# Altium PCB Anki_vector_headboard_ultra_2.PcbDoc (part 2 of 4)
Units mm, origin at the board's own origin, x right, y up, seen from the top; angles counter-clockwise.
Board outline 34.12 x 31.07 mm, 8 copper layers (Top Layer, Int1 (Sign), Int2 (GND), Int3 (Sign), Int4 (Sign), Int5 (PWR), Int6 (Sign), Bottom Layer), stack 1.535 mm thick; 261 components, 284 nets, 1188 pads, 341 vias.
Unrouted connection lines stored in the file: 171.
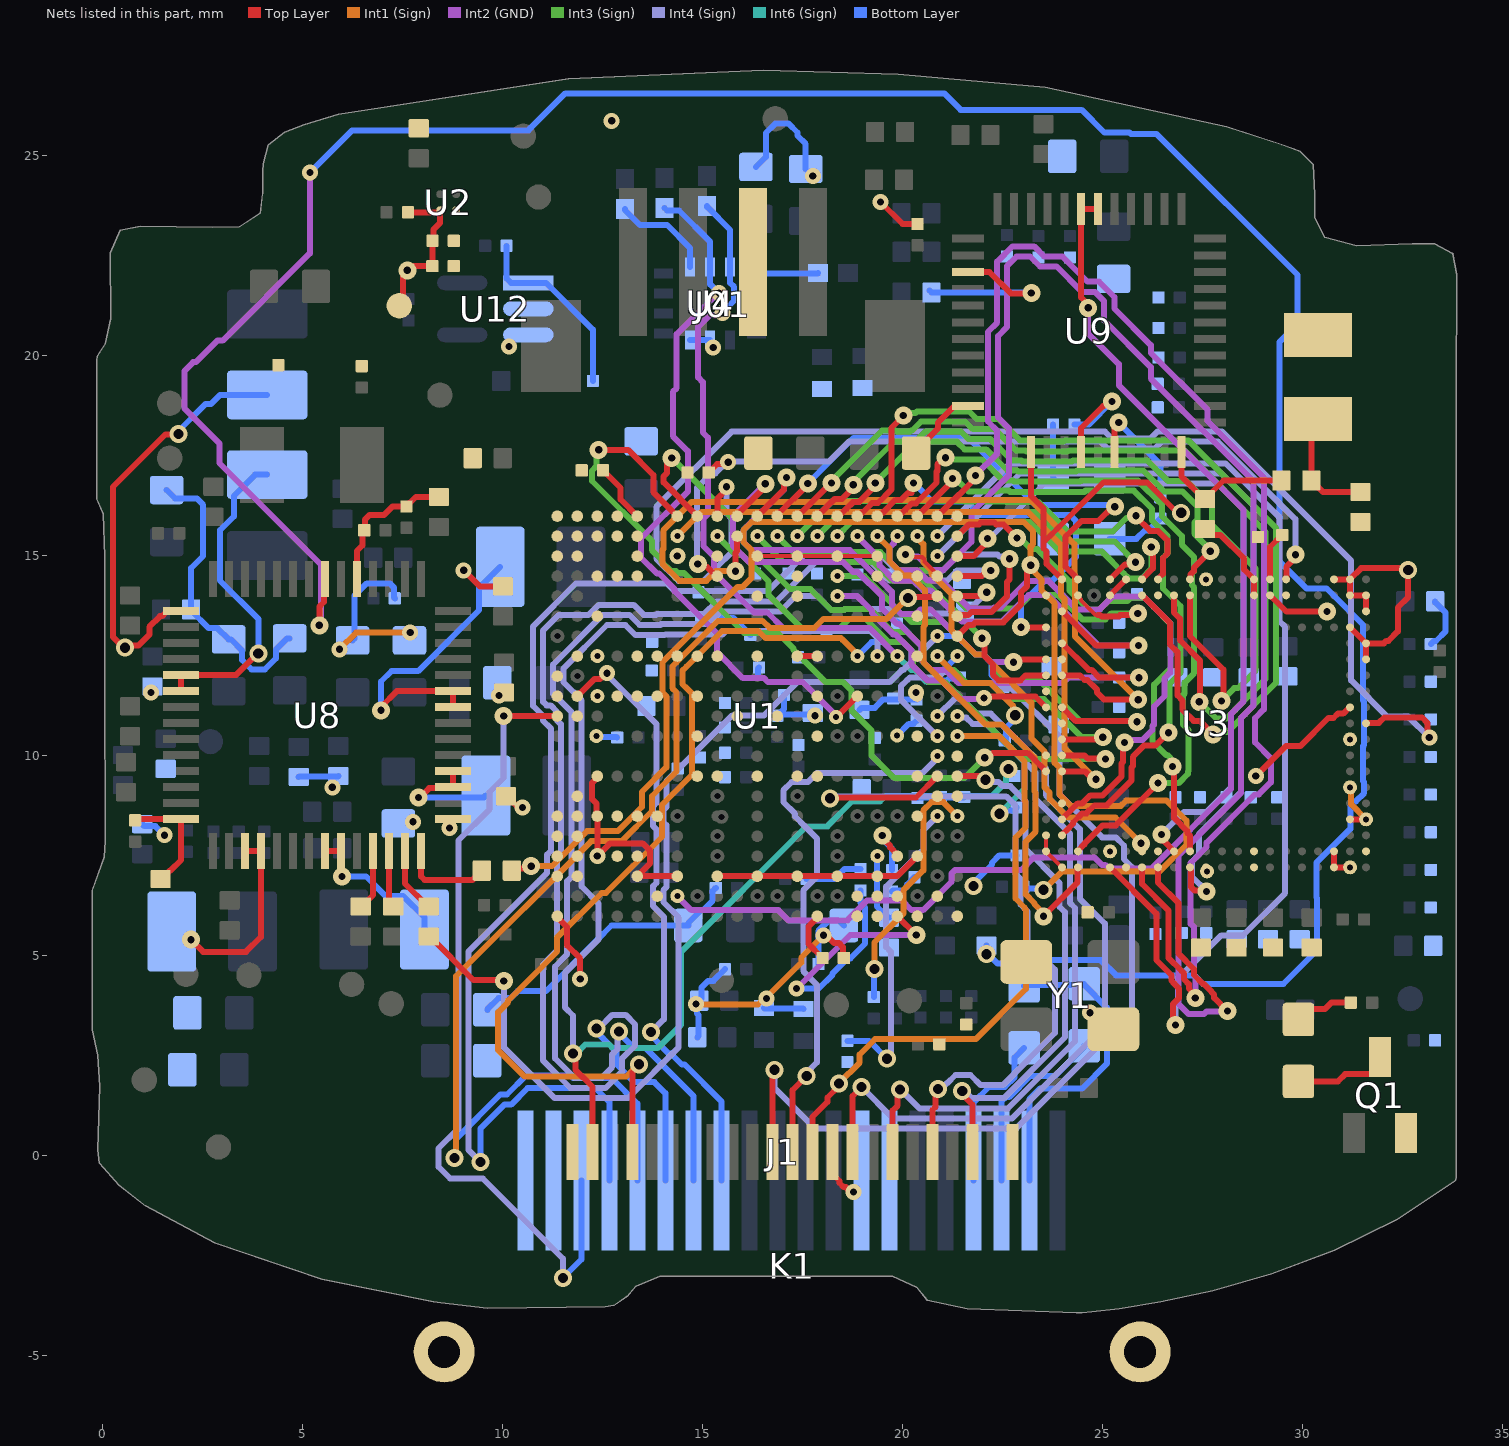
[diagram p8: the nets of this part, all layers, seen from the top]

## Via types
v1: diameter 0.45, hole 0.18, Top Layer to Bottom Layer, tented both sides, 190 vias
v2: diameter 0.4, hole 0.18, Top Layer to Bottom Layer, tented both sides, 79 vias
v3: diameter 0.45, hole 0.254, Top Layer to Bottom Layer, tented both sides, 62 vias
v4: diameter 0.35, hole 0.18, Top Layer to Bottom Layer, tented both sides, 8 vias
v5: diameter 0.35, hole 0.15, Top Layer to Bottom Layer, tented both sides, 2 vias

## Nets (pads, with @x,y where several pads share a name; then routed paths per layer and width w, separated by ;. In a path a pad name is that pad's centre, name@x,y a point inside that pad or via, vN(x,y) a via of type N, cw(c..) or ccw(c..) an arc to the next point about the centre after c; other vN are vias at no path point) (continued)
BT_TXD_RES: R31.1 U9.27 | length 4.4
  Top Layer w0.15: U9.27@21.634,22.075 22.172,22.075 22.703,21.544 23.209,21.544 v1(23.216,21.55)
  Bottom Layer w0.15: R31.1@20.668,21.617 R31.1@20.72,21.565 23.23,21.565 v1(23.216,21.55)
BT_WAKE_DEV: U1.T20
BT_WAKE_HOST: pad.53 U1.R20 U9.18 U9.19 | length 32.7
  Top Layer w0.15: v1(24.638,21.182) 24.638,21.263 24.46,21.441 U9.19@24.46,23.647 U9.18@24.878,23.647
  Int2 (GND) w0.15: pad.53@14.367,6.474 14.719,6.123 16.89,6.123 17.142,5.871 18.617,5.871 19.114,6.368 19.976,6.368 20.221,6.123 20.513,6.123 21.219,6.829 21.219,7.038 21.306,7.126 22.964,7.126 23.281,7.442 24.791,7.442 24.978,7.255 25.064,7.255 25.156,7.163 26.213,7.163 28.204,9.154 28.204,11.023 28.305,11.124 28.305,11.127 28.525,11.347 28.525,16.128 26.967,17.686 26.96,17.686 25.403,19.243 25.403,19.772 24.638,20.537 v1(24.638,21.182)
CLK_32K_OUT: R100.1 U8.7 | length 70.7
  Top Layer w0.15: v1(5.417,13.244) 5.417,13.712 5.534,13.829 5.534,14.373 U8.7@5.559,14.398
  Int2 (GND) w0.15: v2(5.182,24.562) 5.182,22.544 3,20.363 2.869,20.363 2.329,19.822 2.264,19.822 2.041,19.599 2.041,18.67 2.916,17.794 2.916,17.302 5.453,14.766 5.453,13.28 v1(5.417,13.244)
  Bottom Layer w0.15: v2(5.182,24.562) 6.24,25.62 10.644,25.62 11.567,26.543 21.04,26.543 21.452,26.132 24.474,26.132 25.042,25.564 25.675,25.564 25.707,25.532 26.344,25.532 29.87,22.006 29.87,20.777 29.418,20.325 29.418,14.845 30.095,14.168 30.596,14.168 31.511,13.253 31.511,11.366 31.536,11.341 31.536,10.249 31.511,10.224 31.511,9.347 31.536,9.322 31.536,9.049 31.33,8.843 31.322,8.843 31.191,8.712 31.191,8.157 30.344,7.31 30.344,6.441 30.356,6.429 30.356,5.116 29.522,4.281 27.505,4.281 27.29,4.496 25.337,4.496 24.957,4.876 22.668,4.876 22.576,4.784 22.373,4.784 22.136,5.022 v3(22.098,5.022) R100.1@22.098,5.238
CLKIN1: U1.E20
CLKIN2: U1.F20
CLKOUT1: U1.E21
CLKOUT2: U1.F21
CSI_CKN: U1.A13
CSI_CKP: J1.13 pad.59 U1.B13 | length 14.2
  Top Layer w0.15: J1.13@17.247,0.076 17.247,1.626 v3(17.602,1.981)
  Int4 (Sign) w0.15: v3(17.602,1.981) 17.602,2.062 17.856,2.316 17.856,4.257 17.515,4.598 17.515,6.62 17.856,6.961 17.856,7.92 17.557,8.219 17.311,8.465 17.311,8.533 17.015,8.829 17.015,9.12 17.221,9.326 17.632,9.326 17.861,9.555 20.501,9.555 20.867,9.921 pad.59@20.867,9.974
CSI_DN0: J1.18 pad.54 U1.A11 | length 16.6
  Top Layer w0.15: J1.18@19.747,0.076 19.747,1.112 19.873,1.238 19.873,1.58 v3(19.93,1.637)
  Int4 (Sign) w0.15: v3(19.93,1.637) 19.953,1.637 20.419,1.171 22.634,1.171 24.308,2.844 24.308,6.178 24.179,6.308 24.179,8.042 23.327,8.894 23.327,9.563 22.716,10.173 22.712,10.173 22.102,10.784 21.746,10.784 21.593,10.936 21.405,10.936 pad.54@21.367,10.974
CSI_DN1: J1.14 pad.55 U1.A12 | length 15.6
  Top Layer w0.15: J1.14@17.747,0.076 17.747,0.958 18.122,1.333 18.122,1.439 18.405,1.722 v3(18.405,1.793)
  Int1 (Sign) w0.15: v3(18.405,1.793) 18.924,2.312 18.924,2.516 19.309,2.9 21.829,2.9 23.083,4.155 23.083,6.131 23.045,6.169 23.045,6.191 22.822,6.414 22.822,7.938 23.075,8.191 23.075,8.839 23.045,8.869 23.045,9.844 22.764,10.125 22.76,10.125 22.411,10.474 pad.55@21.367,10.474
CSI_DN2: J1.22 U1.A14 | length 13
  Top Layer w0.15: U1.A14@21.367,9.474 v3@21.92,9.474 ; v3(21.488,1.6) 21.488,1.519 21.747,1.261 J1.22@21.747,0.076
  Int4 (Sign) w0.15: v3(21.488,1.6) 21.548,1.6 21.726,1.422 22.53,1.422 24.058,2.95 24.058,6.073 23.927,6.203 23.927,6.801 23.075,7.653 23.075,8.839 22.692,9.222 22.506,9.222 22.401,9.326 22.13,9.326 v3(22.072,9.384)
CSI_DN3: U1.A15
CSI_DP0: J1.16 pad.57 U1.B11 | length 19.8
  Top Layer w0.15: J1.16@18.747,0.076 18.747,1.475 v3(18.974,1.702)
  Int4 (Sign) w0.15: v3(18.974,1.702) 19.756,0.919 22.738,0.919 25.058,3.239 25.058,5.784 24.43,6.412 24.43,8.147 23.578,8.999 23.578,9.667 22.821,10.425 22.816,10.425 22.206,11.035 21.85,11.035 21.448,11.436 21.324,11.436 20.867,10.979 pad.57@20.867,10.974
CSI_DP1: J1.12 pad.56 U1.B12 | length 27.3
  Top Layer w0.15: J1.12@16.747,0.076 16.747,2.081 v3(16.799,2.134)
  Int4 (Sign) w0.15: v3(16.799,2.134) 16.799,1.668 17.799,0.668 22.843,0.668 25.73,3.555 25.73,7.202 25.534,7.398 25.534,7.74 25.329,7.945 24.988,7.945 23.923,9.01 23.923,10.454 22.707,11.67 22.501,11.67 22.367,11.804 21.879,11.804 21.483,11.804 21.21,12.077 21.031,12.077 20.896,11.942 20.184,11.942 20.116,11.874 20.108,11.874 19.956,11.723 19.956,11.385 pad.56@20.867,10.474
CSI_DP2: J1.20 U1.B14 | length 19.1
  Top Layer w0.15: v3(18.187,8.92) 18.208,8.941 20.334,8.941 U1.B14@20.867,9.474 ; J1.20@20.747,0.076 20.747,1.128 20.824,1.205 20.824,1.596 v3(20.881,1.653)
  Int4 (Sign) w0.15: v3(18.187,8.92) 18.238,8.97 21.52,8.97 22.588,8.97 22.823,8.735 22.823,7.031 22.946,6.908 22.946,6.268 23.119,6.095 23.119,5.329 23.808,4.64 23.808,3.056 22.5,1.748 21.95,1.748 21.696,2.002 21.322,2.002 21.118,1.798 21.107,1.798 20.962,1.653 v3(20.881,1.653)
CSI_DP3: U1.B15
DDR_ADDR0: U1.Y3
DDR_ADDR1: U1.AA2
DDR_ADDR2: U1.Y2
DDR_ADDR3: U1.L5
DDR_ADDR4: U1.Y1
DDR_ADDR5: U1.M1 U3.Y5 | length 17.3
  Top Layer w0.15: U1.M1@15.867,15.974 15.867,16.012 16.566,16.711 v1(16.566,16.783) ; U3.Y5@23.984,12.795 24.65,12.129 24.724,12.129 24.918,11.935 v1(25.91,11.935)
  Int2 (GND) w0.15: v1(16.566,16.783) 15.764,15.981 15.764,15.224 16.162,14.826 18.513,14.826 18.764,14.574 18.88,14.574 19.485,13.969 19.485,13.655 19.868,13.273 19.922,13.273 20.47,12.724 20.47,12.374 20.721,12.123 21.072,12.123 21.39,11.804 21.635,11.804 21.879,11.804 24.01,11.804 24.141,11.935 v1(25.91,11.935)
DDR_ADDR6: U1.L1 U3.AA6 | length 12.5
  Top Layer w0.15: U1.L1@16.367,15.974 17.037,16.644 17.037,16.884 v1(17.094,16.942) ; v1(22.772,12.323) 22.853,12.323 22.925,12.395 U3.AA6@23.584,12.395
  Int2 (GND) w0.15: v1(17.094,16.942) 17.037,16.884 17.037,16.641 16.015,15.62 16.015,15.329 16.221,15.123 18.681,15.123 18.978,14.826 18.984,14.826 19.737,14.073 19.737,13.759 19.972,13.524 20.332,13.524 20.45,13.642 20.696,13.642 21.219,13.12 21.821,12.518 22.02,12.518 22.209,12.328 22.767,12.328 v1(22.772,12.323)
DDR_ADDR7: U1.M2 U3.Y7 | length 21.7
  Top Layer w0.15: v1(15.822,14.598) 15.822,15.064 15.862,15.104 15.862,15.469 U1.M2@15.867,15.474 ; U3.Y7@23.984,11.995 24.429,11.995 24.546,11.878 24.619,11.878 24.855,11.643 24.855,11.569 25.04,11.384 v1(25.888,11.384)
  Int1 (Sign) w0.15: v1(15.822,14.598) 15.338,14.598 15.096,14.356 14.422,14.356 13.99,14.788 13.99,15.13 14.015,15.155 14.015,15.62 14.726,16.331 18.908,16.331 18.96,16.383 23.183,16.383 24.29,15.275 24.29,14.524 24.303,14.512 24.303,12.969 v1(25.888,11.384)
DDR_ADDR8: pad.23 U1.L2 U3.AA7 | length 9.1
  Top Layer w0.15: v1(21.987,12.919) 22.045,12.862 22.045,12.482 22.257,12.27 22.257,12.009 22.397,11.869 22.946,11.869 23.072,11.995 U3.AA7@23.584,11.995
  Int3 (Sign) w0.15: pad.23@16.367,15.474 17.015,14.826 19.279,14.826 19.741,14.364 20.543,14.364 v1(21.987,12.919)
DDR_ADDR9: U1.E4
DDR_ADDR10: U1.W1
DDR_ADDR11: pad.49 U1.R2 U3.Y13 | length 17.3
  Top Layer w0.15: U3.Y13@23.984,9.595 24.554,9.595 24.754,9.395 v1(24.835,9.395)
  Int1 (Sign) w0.15: pad.49@14.367,15.474 14.972,16.079 23.131,16.079 23.954,15.256 23.954,13.994 24.051,13.896 24.051,10.169 24.825,9.395 v1(24.835,9.395)
DDR_ADDR12: U1.R1 U3.AA13 | length 19.5
  Top Layer w0.15: v1(12.401,17.633) 13.136,17.633 13.767,17.002 13.767,16.574 U1.R1@14.367,15.974 ; v1(22.051,9.935) 22.132,9.935 22.251,10.054 23.126,10.054 U3.AA13@23.584,9.595
  Int3 (Sign) w0.15: v1(12.401,17.633) 12.344,17.576 12.344,17.219 12.233,17.108 12.233,16.852 13.729,15.357 13.729,15.126 13.97,14.885 13.97,14.839 14.211,14.598 14.333,14.598 14.376,14.554 14.531,14.554 16.033,13.052 16.882,13.052 17.266,12.668 17.266,12.633 18.073,11.826 18.513,11.826 18.719,11.62 18.719,11.12 19.219,10.62 19.219,9.995 19.79,9.423 21.544,9.423 22.051,9.93 v1(22.051,9.935)
DDR_ADDR13: U1.AA3
DDR_ADDR14: pad.34 U1.G4 U3.Y9 | length 11.1
  Top Layer w0.15: U3.Y9@23.984,11.195 24.33,10.85 25.842,10.85 v1(25.859,10.833)
  Int3 (Sign) w0.15: pad.34@18.367,14.474 19.041,14.474 19.737,13.778 19.737,13.759 19.972,13.524 20.026,13.524 20.224,13.326 21.013,13.326 21.585,12.753 21.831,12.507 22.026,12.507 22.246,12.287 22.246,12.167 22.579,11.834 23.454,11.834 24.438,10.85 25.842,10.85 v1(25.859,10.833)
DDR_ADDR15: U1.D4
DDR_BA0: U1.V4
DDR_BA1: U1.W2
DDR_BA2: pad.35 U1.G5 U3.AA9 | length 6.6
  Top Layer w0.15: v2(22.035,11.427) 22.067,11.46 23.32,11.46 U3.AA9@23.584,11.195
  Int2 (GND) w0.15: pad.35@18.367,13.974 18.864,13.974 19.234,13.605 19.234,13.551 19.764,13.021 19.817,13.021 20.219,12.62 20.219,12.27 20.617,11.871 20.967,11.871 21.43,11.408 22.016,11.408 v2(22.035,11.427)
DDR_CAS_B: U1.U2
DDR_CKE0: U1.P1 U3.Y11 | length 17
  Top Layer w0.15: v1(14.227,17.431) 14.227,17.402 14.114,17.29 14.114,17.059 14.024,16.969 14.024,16.817 U1.P1@14.867,15.974 ; U3.Y11@23.984,10.395 24.95,10.395 v1(25.004,10.448)
  Int3 (Sign) w0.15: v1(14.227,17.431) 15.74,15.918 15.74,15.604 17.196,14.148 17.696,14.148 18.221,13.623 18.526,13.623 18.561,13.657 19.176,13.657 19.756,13.077 20.117,13.077 20.515,12.679 20.515,12.329 20.721,12.123 21.289,12.123 21.608,11.804 22.191,11.804 22.598,11.397 23.527,11.397 24.476,10.448 v1(25.004,10.448)
DDR_CKE1: U1.N1 U3.A10 | length 33.4
  Top Layer w0.15: U1.N1@15.367,15.974 15.367,16.411 15.596,16.64 v2(15.596,16.707) ; U3.A10@31.584,10.795 31.594,10.805 31.906,10.805 32.045,10.943 32.983,10.943 33.119,10.807 33.119,10.487 v2(33.167,10.44)
  Int4 (Sign) w0.15: v2(15.596,16.707) 15.596,16.046 15.719,15.923 15.719,15.063 15.372,14.716 15.372,14.702 15.025,14.356 14.397,14.356 13.843,14.91 13.843,16.205 15.726,18.088 25.057,18.088 25.234,17.912 26.192,17.912 26.369,18.088 27.988,18.088 31.214,14.862 31.214,11.867 32.119,10.962 32.644,10.962 v2(33.167,10.44)
DDR_CLK_N: U1.J5
DDR_CLK_P: U1.J4
DDR_CS_B: pad.22 U1.N2 U3.Y12 | length 13.7
  Top Layer w0.15: U3.Y12@23.984,9.995 24.541,9.995 24.616,9.92 25.05,9.92 v1(25.069,9.901)
  Int3 (Sign) w0.15: pad.22@15.367,15.474 15.841,15 15.988,15 16.649,14.34 16.649,13.992 17.461,13.18 18.44,13.18 18.665,13.406 19.071,13.406 19.651,12.826 19.721,12.826 20.013,12.826 20.264,12.575 20.264,12.224 20.662,11.826 21.064,11.826 22.989,9.901 v1(25.069,9.901)
DDR_DM0: pad.32 U1.B2 U3.U19 | length 28.8
  Top Layer w0.15: U3.U19@25.184,7.195 26.344,6.035 26.344,4.877 26.721,4.5 26.721,4.361 26.781,4.301 26.781,4.293 26.905,4.169 26.905,3.922 26.764,3.781 26.764,3.31 v1(26.819,3.255)
  Int4 (Sign) w0.15: pad.32@20.868,15.474 22.686,17.293 28.072,17.293 29.418,15.947 29.418,13.352 29.561,13.209 29.561,6.548 28.509,5.496 27.969,5.496 26.879,4.406 26.879,3.78 26.819,3.72 v1(26.819,3.255)
DDR_DM1: pad.25 U1.H2 U3.U1 | length 9.5
  Top Layer w0.15: U3.U1@25.184,14.395 25.555,14.765 25.76,14.765 v1(25.818,14.823)
  Int3 (Sign) w0.15: pad.25@17.867,15.474 18.472,16.079 23.291,16.079 24.026,15.344 25.296,15.344 v1(25.818,14.823)
DDR_DQ0: pad.33 U1.B3 U3.M19 | length 20.5
  Top Layer w0.15: U3.M19@27.184,7.195 27.194,7.185 27.194,7.15 27.205,7.139 27.205,6.705 27.293,6.617 27.569,6.617 v1(27.598,6.588)
  Int4 (Sign) w0.15: pad.33@20.867,14.974 22.934,17.041 27.435,17.041 27.968,17.041 28.775,16.234 28.775,11.24 28.454,10.919 28.454,9.075 27.407,8.028 27.407,7.512 27.234,7.34 27.234,6.956 27.598,6.592 v1(27.598,6.588)
DDR_DQ1: U1.A2 U3.M18 | length 13.2
  Top Layer w0.15: U1.A2@21.367,15.474 21.661,15.769 21.908,15.769 21.957,15.818 22.29,15.818 22.339,15.769 22.517,15.769 v1(22.86,15.426) ; v1(26.748,9.715) 26.786,9.677 26.786,8.431 27.12,8.098 27.12,8.054 27.184,7.989 U3.M18@27.184,7.595
  Int3 (Sign) w0.15: v1(22.86,15.426) 22.941,15.426 23.217,15.15 23.366,15.15 24.165,14.351 24.165,14.117 24.639,13.643 24.93,13.643 25.136,13.849 25.618,13.849 25.712,13.943 26.045,13.943 26.277,13.711 26.277,13.703 26.694,13.286 26.694,12.166 26.29,11.761 26.29,10.769 26.246,10.726 26.246,10.342 26.581,10.007 26.613,10.007 26.691,9.929 26.691,9.772 v1(26.748,9.715)
DDR_DQ2: U1.A3 U3.N18 | length 18.1
  Top Layer w0.15: U1.A3@21.367,14.974 21.774,14.974 21.904,15.105 21.904,15.116 22.123,15.335 v1(22.123,15.416) ; v1(26.467,8.014) 26.525,7.957 26.525,7.855 U3.N18@26.784,7.595
  Int4 (Sign) w0.15: v1(22.123,15.416) 22.172,15.416 23.546,16.789 27.864,16.789 28.525,16.128 28.525,11.344 28.204,11.023 28.204,9.181 27.604,8.581 27.034,8.581 v1(26.467,8.014)
DDR_DQ3: U1.B4 U3.P19 | length 39.2
  Top Layer w0.1: v1(20.073,15.017) 20.14,14.95 20.483,14.95 20.542,14.891 20.542,14.84 20.867,14.515 U1.B4@20.867,14.474
  Top Layer w0.15: U3.P19@26.384,7.195 26.384,6.813 26.899,6.299 26.899,5.034 27.284,4.649 27.284,4.502 27.505,4.281 27.528,4.281 27.717,4.092 27.717,4.083 27.789,4.011 27.789,3.93 v1(28.119,3.599)
  Int2 (GND) w0.15: v1(20.073,15.017) 20.13,14.959 20.385,14.959 20.721,14.623 21.013,14.623 21.722,15.332 21.722,16.058 22.657,16.993 22.657,18.171 22.385,18.443 22.385,20.475 22.615,20.705 22.615,22.231 22.85,22.466 23.183,22.466 23.434,22.214 23.851,22.214 24.482,21.583 24.804,21.583 25.04,21.348 25.04,20.864 26.206,19.698 26.206,19.412 28.775,16.843 28.775,11.244 28.555,11.024 28.555,11.02 28.454,10.919 28.454,9.048 26.898,7.492 26.898,3.775 27.149,3.524 27.53,3.524 27.594,3.588 28.108,3.588 v1(28.119,3.599)
DDR_DQ4: pad.28 U1.E2 U3.W19 | length 13.4
  Top Layer w0.15: v1(23.52,5.969) 24.376,6.824 24.376,7.186 U3.W19@24.384,7.195
  Int1 (Sign) w0.15: pad.28@19.367,15.474 19.671,15.17 19.671,14.85 20.032,14.489 20.197,14.489 20.558,14.128 20.558,13.247 20.515,13.205 20.515,12.323 22.069,10.77 22.471,10.77 22.864,10.377 22.868,10.377 23.297,9.949 23.297,9.088 23.327,9.058 23.327,8.087 23.074,7.834 23.074,6.518 23.297,6.295 23.297,6.274 23.52,6.05 v1(23.52,5.969)
DDR_DQ5: U1.D1 U3.W18 | length 18.8
  Top Layer w0.15: U1.D1@19.867,15.974 19.905,15.974 20.062,16.131 20.069,16.131 20.234,16.296 20.333,16.296 20.846,16.809 20.846,17.087 20.867,17.108 20.867,17.268 21.034,17.435 v1(21.069,17.435) ; U3.W18@24.384,7.595 24.384,7.609 24.544,7.768 24.544,7.787 25.002,8.245 25.33,8.245 v1(26.385,9.3)
  Int3 (Sign) w0.15: v1(21.069,17.435) 21.11,17.395 21.985,17.395 22.517,16.862 22.76,16.862 22.788,16.834 23.603,16.834 24.436,16.834 24.464,16.862 25.882,16.862 26.488,16.256 26.488,15.966 26.978,15.476 26.978,15.262 27.289,14.951 27.289,14.597 27.233,14.541 27.233,14.249 27.289,14.193 27.289,12.049 27.049,11.809 27.049,11.534 27.015,11.499 27.015,10.76 27.15,10.625 27.15,9.605 27.134,9.589 27.134,9.532 26.901,9.3 v1(26.385,9.3)
DDR_DQ6: U1.C1 U3.Y17 | length 16.8
  Top Layer w0.15: U1.C1@20.367,15.974 21.248,16.855 v1(21.248,16.913) ; U3.Y17@23.984,7.995 23.984,8.007 24.097,8.12 ; 24.098,8.12 24.259,8.281 24.259,8.316 24.485,8.542 24.592,8.542 24.795,8.745 25.104,8.745 25.719,9.36 25.719,9.686 25.756,9.722 25.756,9.957 26.044,10.244 26.326,10.244 26.641,10.559 v1(26.647,10.559)
  Int3 (Sign) w0.15: v1(21.248,16.913) 21.329,16.913 21.651,16.591 22.373,16.591 22.392,16.611 22.656,16.611 22.684,16.582 23.499,16.582 24.54,16.582 24.569,16.611 25.778,16.611 26.236,16.152 26.236,15.862 26.615,15.483 26.615,15.035 26.509,14.928 26.509,14.164 26.946,13.727 26.946,12.062 26.67,11.786 26.67,10.582 v1(26.647,10.559)
DDR_DQ7: pad.30 U1.D2 U3.Y16 | length 15.7
  Top Layer w0.15: U3.Y16@23.984,8.395 24.382,8.792 24.488,8.792 24.691,8.995 25.001,8.995 25.469,9.464 25.469,9.789 25.504,9.824 25.504,10.273 v1(25.548,10.317)
  Int2 (GND) w0.15: pad.30@19.867,15.474 19.867,15.42 19.782,15.335 19.782,15.294 19.671,15.183 19.671,14.85 19.907,14.615 20.373,14.615 20.617,14.371 20.97,14.371 21.412,13.929 21.412,13.919 21.662,13.669 22.267,13.669 22.289,13.691 22.454,13.691 23.11,14.347 23.652,14.347 24.355,13.643 24.93,13.643 25.257,13.97 26.018,13.97 26.694,13.294 26.694,12.068 26.546,11.919 26.546,11.474 26.283,11.211 26.283,10.763 26.246,10.726 26.246,10.629 25.991,10.374 25.605,10.374 v1(25.548,10.317)
DDR_DQ8: U1.G1 U3.M1 | length 12.7
  Top Layer w0.15: U1.G1@18.367,15.974 18.405,15.974 18.587,16.156 18.594,16.156 18.761,16.323 18.905,16.323 19.317,16.735 v1(19.317,16.806) ; U3.M1@27.184,14.395 27.194,14.405 27.194,14.513 27.287,14.606 27.287,14.693 v1(27.691,15.097)
  Int3 (Sign) w0.15: v1(19.317,16.806) 20.1,17.589 20.422,17.589 20.669,17.837 21.355,17.837 21.545,17.646 22.089,17.646 22.621,17.114 22.864,17.114 22.893,17.086 24.332,17.086 24.36,17.114 26.015,17.114 26.533,16.596 26.994,16.596 27.365,16.225 27.365,15.883 27.291,15.809 27.291,15.536 27.691,15.136 v1(27.691,15.097)
DDR_DQ9: U1.H1 U3.M2 | length 20.4
  Top Layer w0.15: U1.H1@17.867,15.974 18.301,16.408 18.487,16.408 18.767,16.688 v1(18.767,16.758) ; U3.M2@27.184,13.995 27.184,12.973 28.016,12.141 28.016,11.401 v1(27.967,11.352)
  Int3 (Sign) w0.15: v1(18.767,16.758) 18.767,16.824 19.784,17.84 20.317,17.84 20.565,18.088 21.459,18.088 21.65,17.898 22.193,17.898 22.726,17.365 22.969,17.365 22.997,17.337 24.228,17.337 24.256,17.365 26.119,17.365 26.637,16.847 27.099,16.847 27.738,16.208 27.738,15.746 28.824,14.66 28.824,12.111 28.387,11.674 28.29,11.674 v1(27.967,11.352)
DDR_DQ10: U1.J1 U3.N2 | length 22.8
  Top Layer w0.15: U1.J1@17.367,15.974 17.38,15.974 18.212,16.806 v1(18.218,16.806) ; U3.N2@26.784,13.995 26.784,13.56 26.933,13.411 26.933,12.869 27.432,12.37 27.432,11.349 v1(27.416,11.333)
  Int3 (Sign) w0.15: v1(18.218,16.806) 18.218,16.847 19.486,18.115 19.826,18.115 19.849,18.092 20.182,18.092 20.205,18.115 20.236,18.115 20.461,18.34 21.563,18.34 21.754,18.149 22.298,18.149 22.83,17.617 23.073,17.617 23.101,17.589 24.123,17.589 24.152,17.617 27.036,17.617 29.076,15.577 29.076,11.905 28.305,11.134 28.305,11.121 28.101,10.917 27.834,10.917 27.418,11.333 v1(27.416,11.333)
DDR_DQ11: pad.29 U1.J2 U3.P1 | length 11.4
  Top Layer w0.15: v1(25.835,15.986) 25.835,15.958 26.185,15.608 26.38,15.608 26.615,15.373 26.615,15.035 26.509,14.928 26.509,14.533 26.384,14.409 U3.P1@26.384,14.395
  Int3 (Sign) w0.15: pad.29@17.367,15.474 18.249,16.356 21.53,16.356 21.536,16.35 21.537,16.35 21.548,16.34 22.571,16.34 22.58,16.331 23.395,16.331 24.13,15.596 25.258,15.596 25.59,15.928 25.777,15.928 v1(25.835,15.986)
DDR_DQ12: U1.K1 U3.W1 | length 12.7
  Top Layer w0.15: U1.K1@16.867,15.974 16.867,16.001 17.628,16.762 v1(17.628,16.789) ; U3.W1@24.384,14.395 24.071,14.708 24.071,15.456 24.473,15.858 24.897,15.858 25.248,16.209 v1(25.303,16.209)
  Bottom Layer w0.15: v1(17.628,16.789) 18.771,17.932 21.641,17.932 23.32,16.254 25.259,16.254 v1(25.303,16.209)
DDR_DQ13: pad.24 U1.K2 U3.W2 | length 12
  Top Layer w0.1: U3.W2@24.384,13.995 24.384,13.968 24.459,13.893 24.459,13.86 24.818,13.501 24.878,13.501
  Top Layer w0.15: 24.878,13.501 24.931,13.501 24.966,13.467 25.403,13.467 25.438,13.501 25.838,13.501 v1(25.878,13.542)
  Int3 (Sign) w0.15: pad.24@16.867,15.474 17.264,15.077 19.444,15.077 19.907,14.615 20.647,14.615 21.599,13.663 22.858,13.663 23.193,13.998 23.884,13.998 24.491,13.392 25.069,13.392 25.219,13.542 v1(25.878,13.542)
DDR_DQ14: pad.27 U1.F2 U3.Y3 | length 11.1
  Top Layer w0.15: U3.Y3@23.984,13.595 24.841,12.738 v1(25.894,12.738)
  Int2 (GND) w0.15: pad.27@18.867,15.474 19.42,14.921 19.42,14.746 19.802,14.364 20.269,14.364 20.513,14.119 20.701,14.119 21.485,13.335 22.479,13.335 23.062,13.918 23.066,13.918 23.146,13.998 23.644,13.998 24.904,12.738 v1(25.894,12.738)
DDR_DQ15: U1.E1 U3.AA4 | length 9.8
  Top Layer w0.15: U1.E1@19.367,15.974 19.405,15.974 19.481,16.05 19.488,16.05 19.82,16.382 19.965,16.382 20.13,16.547 20.225,16.547 20.225,16.756 v1(20.275,16.806) ; v1(22.959,13.197) 22.961,13.195 U3.AA4@23.584,13.195
  Bottom Layer w0.15: v1(20.275,16.806) 20.741,16.34 21.598,16.34 21.936,16.002 24.188,16.002 24.339,15.851 24.339,14.959 23.741,14.361 23.555,14.361 22.957,13.763 22.957,13.199 v1(22.959,13.197)
DDR_DQS0_N: pad.31 U1.C2 U3.R18 | length 11
  Top Layer w0.15: v1(25.961,7.795) 25.975,7.781 25.975,7.605 U3.R18@25.984,7.595